# Altium PCB amp.PcbDoc (part 5 of 20)
Units mm, origin at the board's own origin, x right, y up, seen from the top; angles counter-clockwise.
Board outline 210 x 210 mm, 2 copper layers (Top Layer, Bottom Layer); 742 components, 1354 nets, 6402 pads, 5154 vias.
Unrouted connection lines stored in the file: 702.
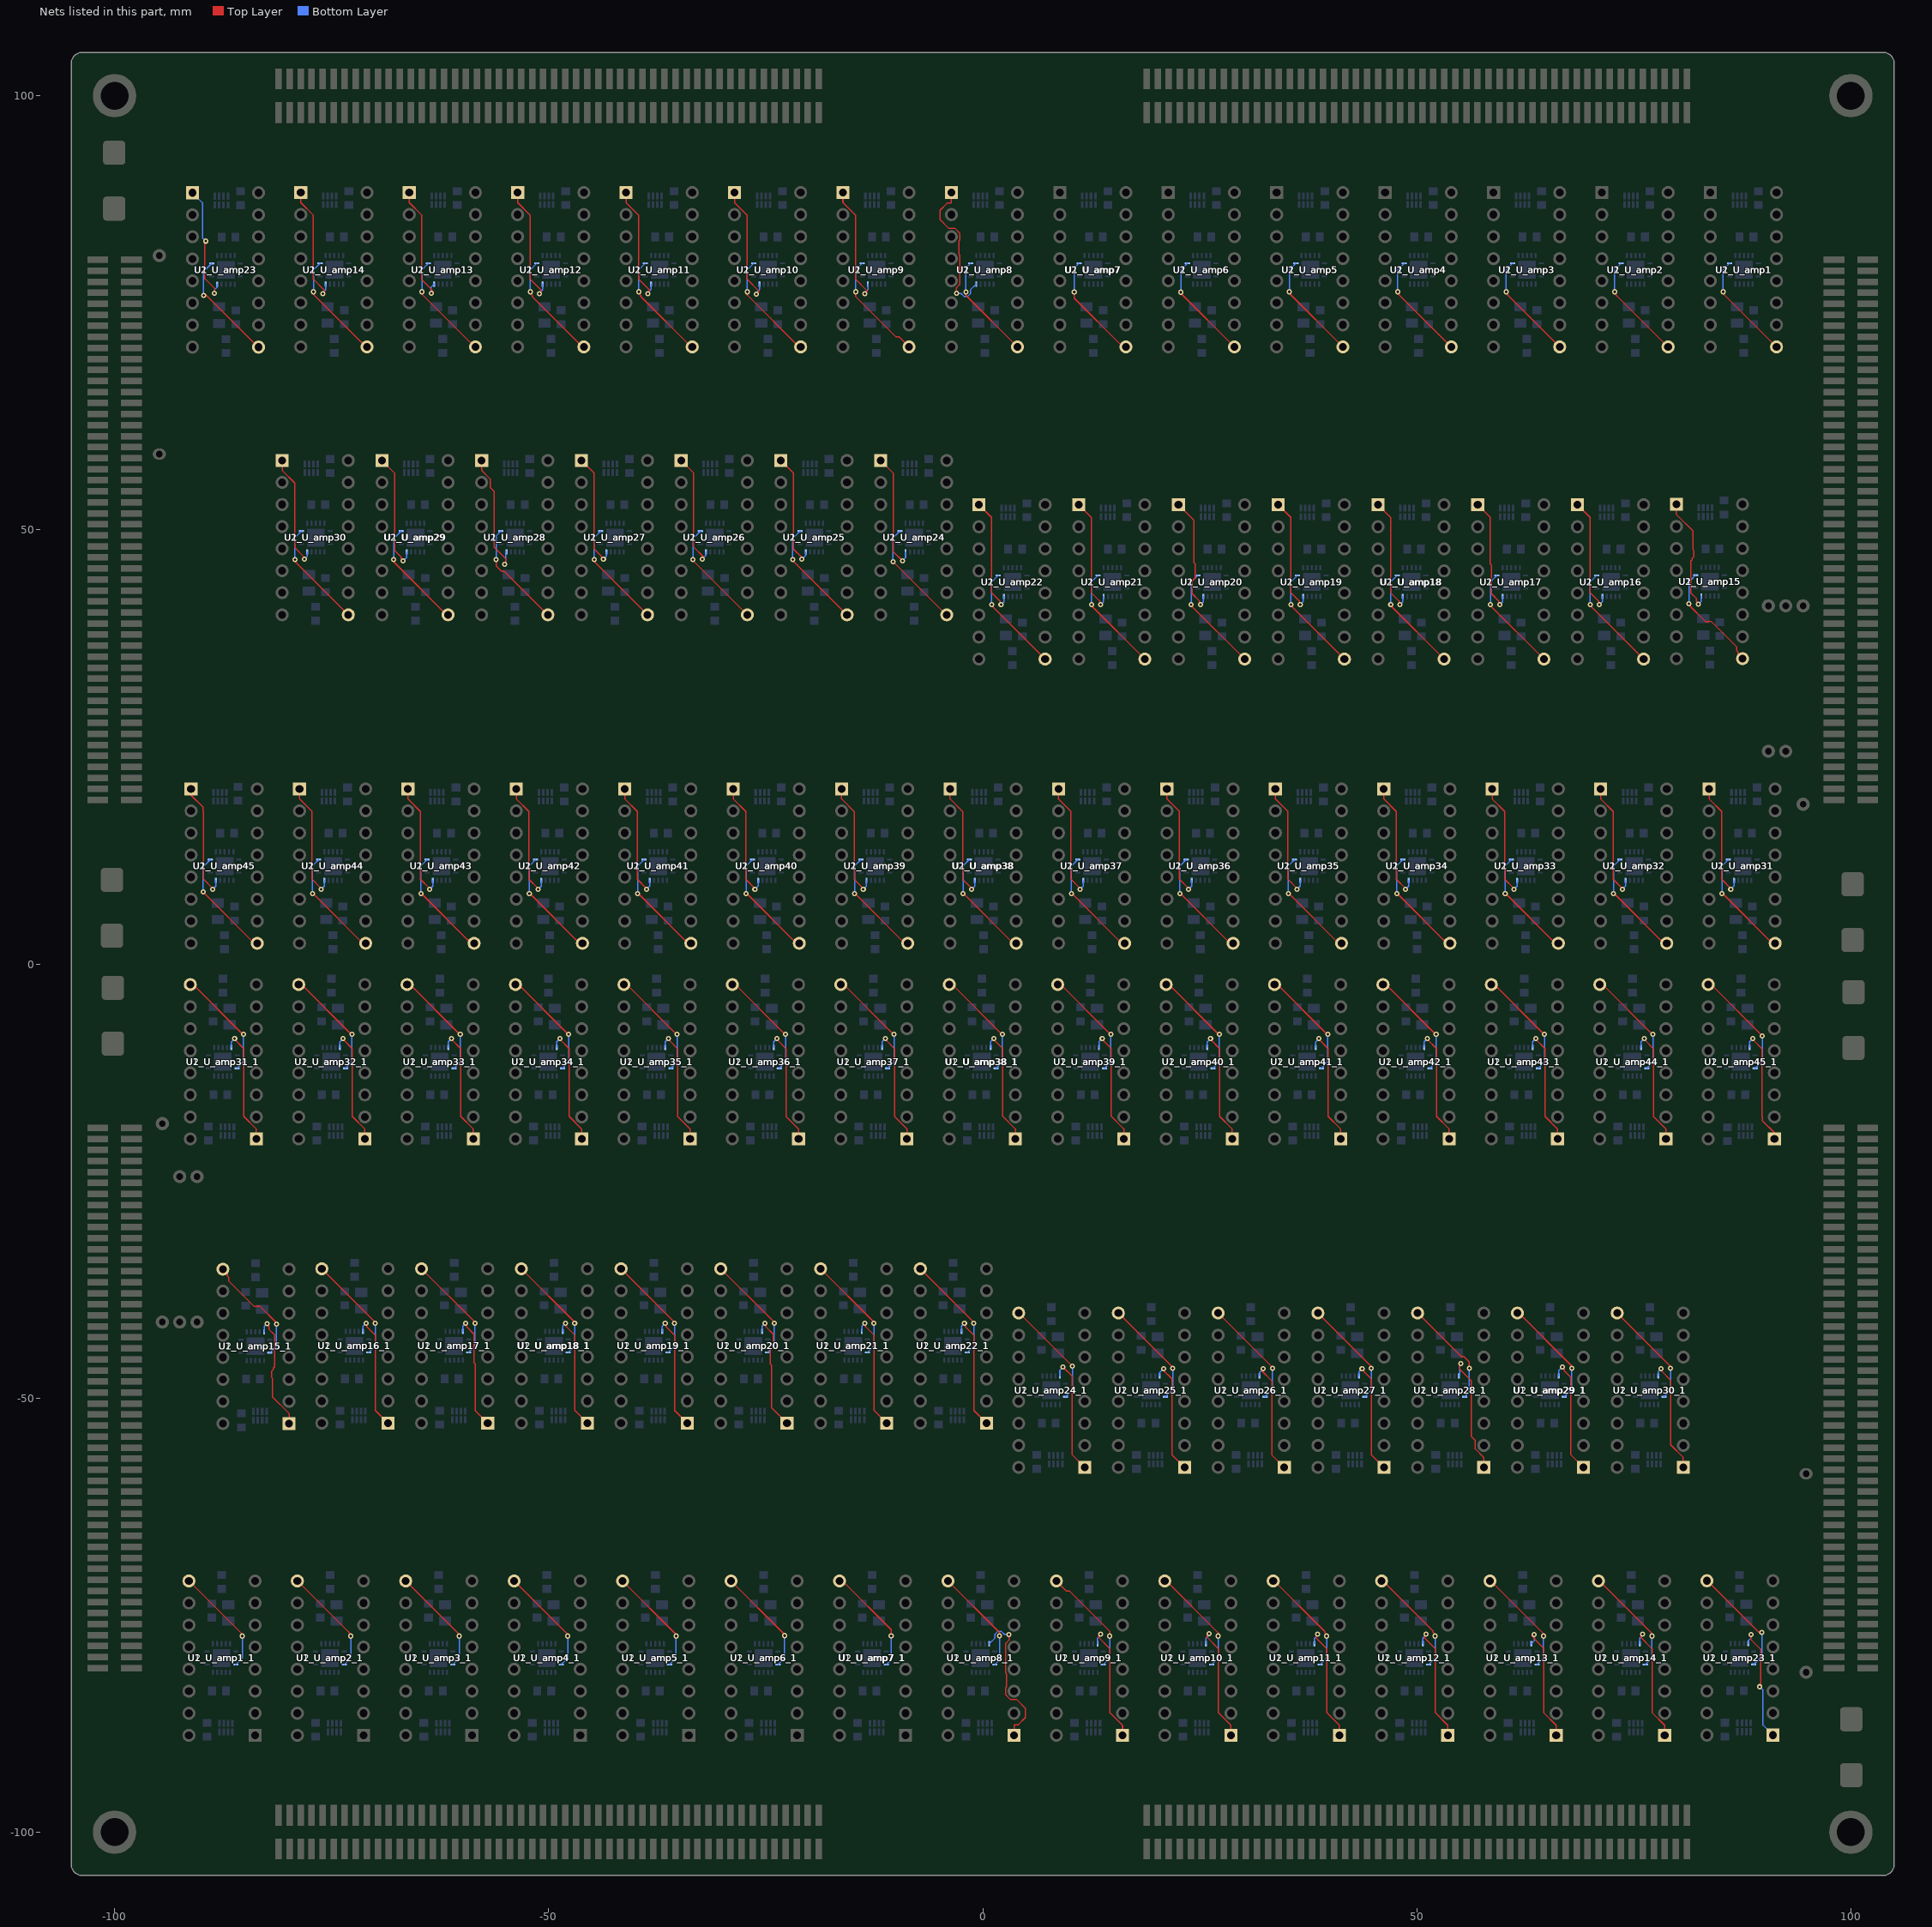
[diagram p5: the nets of this part, all layers, seen from the top]

## Via types
v1: diameter 0.6, hole 0.3, Top Layer to Bottom Layer, tented both sides, 4704 vias
v2: diameter 0.5, hole 0.3, Top Layer to Bottom Layer, 450 vias

## Nets (pads, with @x,y where several pads share a name; then routed paths per layer and width w, separated by ;. In a path a pad name is that pad's centre, name@x,y a point inside that pad or via, vN(x,y) a via of type N, cw(c..) or ccw(c..) an arc to the next point about the centre after c; other vN are vias at no path point) (continued)
EN1I_U_amp8: U1_U_amp8.6 U1_U_amp8_1.6 U2_U_amp8.1 U2_U_amp8_1.1 | length 35.1
  Top Layer w0.15: U2_U_amp8.1@-3.611,88.85 -3.611,87.625 -4.099,87.625 -4.923,86.802 -4.923,85.728 -3.94,84.745 -3.207,84.745 -2.636,84.174 -2.636,83.367 -2.765,83.238 -2.765,81.763 -2.636,81.634 -2.636,78.287 -3.023,77.9 -3.023,77.114 -2.994,77.143 v1(-2.994,77.231) ; v1(2.994,-77.231) 2.994,-77.143 3.023,-77.114 3.023,-77.9 2.636,-78.287 2.636,-81.634 2.765,-81.763 2.765,-83.238 2.636,-83.367 2.636,-84.174 3.207,-84.745 3.94,-84.745 4.923,-85.728 4.923,-86.802 4.099,-87.625 3.611,-87.625 U2_U_amp8_1.1@3.611,-88.85
  Bottom Layer w0.15: v1(-2.994,77.231) -2.503,77.231 -2.162,76.889 -1.727,76.889 -1.419,77.197 -1.419,77.63 U1_U_amp8.6@-0.744,78.305 ; U1_U_amp8_1.6@0.744,-78.305 1.419,-77.63 1.419,-77.197 1.727,-76.889 2.162,-76.889 2.503,-77.231 v1(2.994,-77.231)
EN1I_U_amp9: U1_U_amp9.6 U1_U_amp9_1.6 U2_U_amp9.1 U2_U_amp9_1.1 | length 28.2
  Top Layer w0.15: U2_U_amp9.1@-16.101,88.85 -16.101,87.689 -14.655,86.243 -14.655,78.866 -13.335,77.546 -13.335,77.444 v1(-13.564,77.216) ; v1(13.564,-77.216) 13.335,-77.444 13.335,-77.546 14.655,-78.866 14.655,-86.243 16.101,-87.689 U2_U_amp9_1.1@16.101,-88.85
  Bottom Layer w0.15: v1(-13.564,77.216) -13.564,77.326 -13.234,77.655 U1_U_amp9.6@-13.234,78.305 ; U1_U_amp9_1.6@13.234,-78.305 13.234,-77.655 13.564,-77.326 v1(13.564,-77.216)
EN1I_U_amp10: U1_U_amp10.6 U1_U_amp10_1.6 U2_U_amp10.1 U2_U_amp10_1.1 | length 28.5
  Top Layer w0.15: U2_U_amp10.1@-28.591,88.85 -28.591,87.689 -27.145,86.243 -27.145,78.866 -25.824,77.545 -25.824,77.376 v1(-26.06,77.14) ; v1(26.06,-77.14) 25.824,-77.376 25.824,-77.545 27.145,-78.866 27.145,-86.243 28.591,-87.689 U2_U_amp10_1.1@28.591,-88.85
  Bottom Layer w0.15: v1(-26.06,77.14) -26.06,77.319 -25.724,77.655 U1_U_amp10.6@-25.724,78.305 ; U1_U_amp10_1.6@25.724,-78.305 25.724,-77.655 26.06,-77.319 v1(26.06,-77.14)
EN1I_U_amp11: U1_U_amp11.6 U1_U_amp11_1.6 U2_U_amp11.1 U2_U_amp11_1.1 | length 28.1
  Top Layer w0.15: U2_U_amp11.1@-41.082,88.85 -41.082,87.689 -39.635,86.243 -39.635,78.866 -38.398,77.629 -38.398,77.375 v1(-38.557,77.216) ; v1(38.557,-77.216) 38.398,-77.375 38.398,-77.629 39.635,-78.866 39.635,-86.243 41.082,-87.689 U2_U_amp11_1.1@41.082,-88.85
  Bottom Layer w0.15: v1(-38.557,77.216) -38.557,77.313 -38.215,77.655 U1_U_amp11.6@-38.215,78.305 ; U1_U_amp11_1.6@38.215,-78.305 38.215,-77.655 38.557,-77.313 v1(38.557,-77.216)
EN1I_U_amp12: U1_U_amp12.6 U1_U_amp12_1.6 U2_U_amp12.1 U2_U_amp12_1.1 | length 28.2
  Top Layer w0.15: U2_U_amp12.1@-53.572,88.85 -53.572,87.689 -52.125,86.243 -52.125,82.458 -52.125,78.866 -50.879,77.619 -50.879,77.365 v1(-51.054,77.191) ; v1(51.054,-77.191) 50.879,-77.365 50.879,-77.619 52.125,-78.866 52.125,-82.458 52.125,-86.243 53.572,-87.689 U2_U_amp12_1.1@53.572,-88.85
  Bottom Layer w0.15: v1(-51.054,77.191) -51.054,77.306 -50.705,77.655 U1_U_amp12.6@-50.705,78.305 ; U1_U_amp12_1.6@50.705,-78.305 50.705,-77.655 51.054,-77.306 v1(51.054,-77.191)
EN1I_U_amp13: U1_U_amp13.6 U1_U_amp13_1.6 U2_U_amp13.1 U2_U_amp13_1.1 | length 28.2
  Top Layer w0.15: U2_U_amp13.1@-66.062,88.85 -66.062,87.689 -64.616,86.243 -64.616,78.801 -63.57,77.756 -63.57,77.689 -63.299,77.417 -63.475,77.241 v1(-63.525,77.241) ; v1(63.525,-77.241) 63.475,-77.241 63.299,-77.417 63.57,-77.689 63.57,-77.756 64.616,-78.801 64.616,-86.243 66.062,-87.689 U2_U_amp13_1.1@66.062,-88.85
  Bottom Layer w0.15: v1(-63.525,77.241) -63.525,77.975 U1_U_amp13.6@-63.195,78.305 ; U1_U_amp13_1.6@63.195,-78.305 63.525,-77.975 v1(63.525,-77.241)
EN1I_U_amp14: U1_U_amp14.6 U1_U_amp14_1.6 U2_U_amp14.1 U2_U_amp14_1.1 | length 28.2
  Top Layer w0.15: U2_U_amp14.1@-78.552,88.85 -78.552,87.689 -77.106,86.243 -77.106,78.866 -75.785,77.545 -75.785,77.448 -76.017,77.216 v1(-76.022,77.216) ; v1(76.022,-77.216) 76.017,-77.216 75.785,-77.448 75.785,-77.545 77.106,-78.866 77.106,-86.243 78.552,-87.689 U2_U_amp14_1.1@78.552,-88.85
  Bottom Layer w0.15: v1(-76.022,77.216) -76.022,77.318 -75.685,77.655 U1_U_amp14.6@-75.685,78.305 ; U1_U_amp14_1.6@75.685,-78.305 75.685,-77.655 76.022,-77.318 v1(76.022,-77.216)
EN1I_U_amp15: U1_U_amp15.6 U1_U_amp15_1.6 U2_U_amp15.1 U2_U_amp15_1.1 | length 28.2
  Top Layer w0.15: v1@-82.567,-41.426 v1(-82.432,-41.426) -82.432,-41.561 -82.229,-41.765 -82.229,-42.075 -81.577,-42.727 -81.577,-46.394 -81.727,-46.544 -81.727,-46.735 -81.927,-46.935 -81.927,-47.618 -81.827,-47.718 -81.827,-49.853 -79.908,-51.772 U2_U_amp15_1.1@-79.908,-52.934 ; U2_U_amp15.1@79.908,52.934 79.908,51.772 81.827,49.853 81.827,47.718 81.927,47.618 81.927,46.935 81.727,46.735 81.727,46.544 81.577,46.394 81.577,42.727 82.229,42.075 82.229,41.765 82.432,41.561 v1(82.432,41.426) v1@82.567,41.426
  Bottom Layer w0.15: U1_U_amp15_1.6@-82.775,-42.389 -82.775,-41.77 v1(-82.432,-41.426) ; v1(82.432,41.426) 82.775,41.77 U1_U_amp15.6@82.775,42.389
EN1I_U_amp16: U1_U_amp16.6 U1_U_amp16_1.6 U2_U_amp16.1 U2_U_amp16_1.1 | length 27.4
  Top Layer w0.15: v1(-71.044,-41.377) -71.069,-41.377 -70.942,-41.504 -70.942,-41.789 -69.957,-42.774 -69.957,-51.444 U2_U_amp16_1.1@-68.51,-52.89 ; U2_U_amp16.1@68.51,52.89 69.957,51.444 69.957,42.774 70.942,41.789 70.942,41.504 71.069,41.377 v1(71.044,41.377)
  Bottom Layer w0.15: U1_U_amp16_1.6@-71.377,-42.345 -71.377,-41.71 v1(-71.044,-41.377) ; v1(71.044,41.377) 71.377,41.71 U1_U_amp16.6@71.377,42.345
EN1I_U_amp17: U1_U_amp17.6 U1_U_amp17_1.6 U2_U_amp17.1 U2_U_amp17_1.1 | length 27.4
  Top Layer w0.15: v1(-59.554,-41.377) -59.579,-41.377 -59.451,-41.504 -59.451,-41.789 -58.595,-42.646 -58.595,-45.934 -58.466,-46.063 -58.466,-51.444 U2_U_amp17_1.1@-57.02,-52.89 ; U2_U_amp17.1@57.02,52.89 58.466,51.444 58.466,46.063 58.595,45.934 58.595,42.646 59.451,41.789 59.451,41.504 59.579,41.377 v1(59.554,41.377)
  Bottom Layer w0.15: U1_U_amp17_1.6@-59.887,-42.345 -59.887,-41.71 v1(-59.554,-41.377) ; v1(59.554,41.377) 59.887,41.71 U1_U_amp17.6@59.887,42.345
EN1I_U_amp18: U1_U_amp18.6 U1_U_amp18_1.6 U2_U_amp18.1 U2_U_amp18_1.1 | length 27.4
  Top Layer w0.15: v1(-48.063,-41.377) -48.089,-41.377 -47.961,-41.504 -47.961,-41.789 -46.976,-42.774 -46.976,-51.444 U2_U_amp18_1.1@-45.53,-52.89 ; U2_U_amp18.1@45.53,52.89 46.976,51.444 46.976,42.774 47.961,41.789 47.961,41.504 48.089,41.377 v1(48.063,41.377)
  Bottom Layer w0.15: U1_U_amp18_1.6@-48.397,-42.345 -48.397,-41.71 v1(-48.063,-41.377) ; v1(48.063,41.377) 48.397,41.71 U1_U_amp18.6@48.397,42.345
EN1I_U_amp19: U1_U_amp19.6 U1_U_amp19_1.6 U2_U_amp19.1 U2_U_amp19_1.1 | length 27.4
  Top Layer w0.15: v1(-36.573,-41.377) -36.599,-41.377 -36.471,-41.504 -36.471,-41.789 -35.486,-42.774 -35.486,-51.444 U2_U_amp19_1.1@-34.04,-52.89 ; U2_U_amp19.1@34.04,52.89 35.486,51.444 35.486,42.774 36.471,41.789 36.471,41.504 36.599,41.377 v1(36.573,41.377)
  Bottom Layer w0.15: U1_U_amp19_1.6@-36.907,-42.345 -36.907,-41.71 v1(-36.573,-41.377) ; v1(36.573,41.377) 36.907,41.71 U1_U_amp19.6@36.907,42.345
EN1I_U_amp20: U1_U_amp20.6 U1_U_amp20_1.6 U2_U_amp20.1 U2_U_amp20_1.1 | length 28
  Top Layer w0.15: v1(-25.083,-41.377) -25.108,-41.377 -24.981,-41.504 -24.981,-41.789 -24.124,-42.646 -24.124,-44.123 -24.474,-44.473 -24.474,-46.068 -24.345,-46.197 -24.345,-51.094 U2_U_amp20_1.1@-22.549,-52.89 ; U2_U_amp20.1@22.549,52.89 24.345,51.094 24.345,46.197 24.474,46.068 24.474,44.473 24.124,44.123 24.124,42.646 24.981,41.789 24.981,41.504 25.108,41.377 v1(25.083,41.377)
  Bottom Layer w0.15: U1_U_amp20_1.6@-25.416,-42.345 -25.416,-41.71 v1(-25.083,-41.377) ; v1(25.083,41.377) 25.416,41.71 U1_U_amp20.6@25.416,42.345
EN1I_U_amp21: U1_U_amp21.6 U1_U_amp21_1.6 U2_U_amp21.1 U2_U_amp21_1.1 | length 27.4
  Top Layer w0.15: v1(-13.593,-41.377) -13.618,-41.377 -13.491,-41.504 -13.491,-41.789 -12.506,-42.774 -12.506,-51.444 U2_U_amp21_1.1@-11.059,-52.89 ; U2_U_amp21.1@11.059,52.89 12.506,51.444 12.506,42.774 13.491,41.789 13.491,41.504 13.618,41.377 v1(13.593,41.377)
  Bottom Layer w0.15: U1_U_amp21_1.6@-13.926,-42.345 -13.926,-41.71 v1(-13.593,-41.377) ; v1(13.593,41.377) 13.926,41.71 U1_U_amp21.6@13.926,42.345
EN1I_U_amp22: U1_U_amp22.6 U1_U_amp22_1.6 U2_U_amp22.1 U2_U_amp22_1.1 | length 27.4
  Top Layer w0.15: v1(-2.103,-41.377) -2.128,-41.377 -2,-41.504 -2,-41.789 -1.015,-42.774 -1.015,-51.444 U2_U_amp22_1.1@0.431,-52.89 ; U2_U_amp22.1@-0.431,52.89 1.015,51.444 1.015,42.774 2,41.789 2,41.504 2.128,41.377 v1(2.103,41.377)
  Bottom Layer w0.15: U1_U_amp22_1.6@-2.436,-42.345 -2.436,-41.71 v1(-2.103,-41.377) ; v1(2.103,41.377) 2.436,41.71 U1_U_amp22.6@2.436,42.345
EN1I_U_amp23: U1_U_amp23.6 U1_U_amp23_1.6 U2_U_amp23.1 U2_U_amp23_1.1 | length 27.8
  Top Layer w0.15: v1(-89.5,83.25) -89.595,83.155 -89.595,78.922 -88.5,77.827 v1(-88.5,77.25) ; v1(88.5,-77.25) 88.5,-77.827 89.595,-78.922 89.595,-83.155 v1(89.5,-83.25)
  Bottom Layer w0.15: U2_U_amp23.1@-91.041,88.83 -89.887,87.676 -89.887,83.637 v1(-89.5,83.25) ; v1(-88.5,77.25) -88.5,77.628 -88.174,77.953 U1_U_amp23.6@-88.174,78.285 U1_U_amp23.6@-88.197,78.308 ; U1_U_amp23_1.6@88.197,-78.308 U1_U_amp23_1.6@88.174,-78.285 88.174,-77.953 88.5,-77.628 v1(88.5,-77.25) ; v1(89.5,-83.25) 89.887,-83.637 89.887,-87.676 U2_U_amp23_1.1@91.041,-88.83
EN1I_U_amp24: U1_U_amp24.6 U1_U_amp24_1.6 U2_U_amp24.1 U2_U_amp24_1.1 | length 27.6
  Top Layer w0.15: U2_U_amp24.1@-11.757,57.996 -10.311,56.55 -10.311,47.496 v1(-9.22,46.406) ; v1(9.22,-46.406) 10.311,-47.496 10.311,-56.55 U2_U_amp24_1.1@11.757,-57.996
  Bottom Layer w0.15: v1(-9.22,46.406) -9.22,46.471 -8.89,46.801 U1_U_amp24.6@-8.89,47.451 ; U1_U_amp24_1.6@8.89,-47.451 8.89,-46.801 9.22,-46.471 v1(9.22,-46.406)
EN1I_U_amp25: U1_U_amp25.6 U1_U_amp25_1.6 U2_U_amp25.1 U2_U_amp25_1.1 | length 26.8
  Top Layer w0.15: U2_U_amp25.1@-23.247,57.996 -21.801,56.55 -21.801,47.785 -20.828,46.812 v1(-20.828,46.609) ; v1(20.828,-46.609) 20.828,-46.812 21.801,-47.785 21.801,-56.55 U2_U_amp25_1.1@23.247,-57.996
  Bottom Layer w0.15: v1(-20.828,46.609) -20.38,47.057 U1_U_amp25.6@-20.38,47.451 ; U1_U_amp25_1.6@20.38,-47.451 20.38,-47.057 v1(20.828,-46.609)
EN1I_U_amp26: U1_U_amp26.6 U1_U_amp26_1.6 U2_U_amp26.1 U2_U_amp26_1.1 | length 27
  Top Layer w0.15: U2_U_amp26.1@-34.737,57.996 -33.291,56.55 -33.291,48.012 -32.124,46.845 -32.309,46.66 v1(-32.309,46.634) ; v1(32.309,-46.634) 32.309,-46.66 32.124,-46.845 33.291,-48.012 33.291,-56.55 U2_U_amp26_1.1@34.737,-57.996
  Bottom Layer w0.15: v1(-32.309,46.634) -31.87,47.073 U1_U_amp26.6@-31.87,47.451 ; U1_U_amp26_1.6@31.87,-47.451 31.87,-47.073 v1(32.309,-46.634)
EN1I_U_amp27: U1_U_amp27.6 U1_U_amp27_1.6 U2_U_amp27.1 U2_U_amp27_1.1 | length 26.9
  Top Layer w0.15: U2_U_amp27.1@-46.228,57.996 -44.781,56.55 -44.781,47.819 -43.913,46.951 -43.913,46.789 -43.733,46.609 v1(-43.688,46.609) ; v1(43.688,-46.609) 43.733,-46.609 43.913,-46.789 43.913,-46.951 44.781,-47.819 44.781,-56.55 U2_U_amp27_1.1@46.228,-57.996
  Bottom Layer w0.15: v1(-43.688,46.609) -43.361,46.936 U1_U_amp27.6@-43.361,47.451 ; U1_U_amp27_1.6@43.361,-47.451 43.361,-46.936 v1(43.688,-46.609)
EN1I_U_amp28: U1_U_amp28.6 U1_U_amp28_1.6 U2_U_amp28.1 U2_U_amp28_1.1 | length 29.2
  Top Layer w0.15: U2_U_amp28.1@-57.718,57.996 -57.718,56.835 -56.743,55.86 -56.743,54.905 -56.271,54.434 -56.271,48.012 -54.968,46.708 -54.968,46.149 v1(-55.067,46.05) ; v1(55.067,-46.05) 54.968,-46.149 54.968,-46.708 56.271,-48.012 56.271,-54.434 56.743,-54.905 56.743,-55.86 57.718,-56.835 U2_U_amp28_1.1@57.718,-57.996
  Bottom Layer w0.15: v1(-55.067,46.05) -54.951,46.167 -54.951,47.351 U1_U_amp28.6@-54.851,47.451 ; U1_U_amp28_1.6@54.851,-47.451 54.951,-47.351 54.951,-46.167 v1(55.067,-46.05)
EN1I_U_amp29: U1_U_amp29.6 U1_U_amp29_1.6 U2_U_amp29.1 U2_U_amp29_1.1 | length 27.7
  Top Layer w0.15: U2_U_amp29.1@-69.208,57.996 -67.762,56.55 -67.762,47.643 -67.002,46.883 -67.002,46.707 v1@-66.878,46.584 ; v1@66.878,-46.584 67.002,-46.707 67.002,-46.883 67.762,-47.643 67.762,-56.55 U2_U_amp29_1.1@69.208,-57.996
  Bottom Layer w0.15: v1(-66.777,46.406) -66.777,46.66 -66.65,46.533 -66.341,46.841 U1_U_amp29.6@-66.341,47.451 ; U1_U_amp29_1.6@66.341,-47.451 66.341,-46.841 66.65,-46.533 66.777,-46.66 v1(66.777,-46.406)
EN1I_U_amp30: U1_U_amp30.6 U1_U_amp30_1.6 U2_U_amp30.1 U2_U_amp30_1.1 | length 27
  Top Layer w0.15: U2_U_amp30.1@-80.698,57.996 -80.698,56.835 -79.252,55.389 -79.252,47.947 -78.181,46.876 -78.181,46.568 -78.156,46.593 v1(-78.156,46.607) ; v1(78.156,-46.607) 78.156,-46.593 78.181,-46.568 78.181,-46.876 79.252,-47.947 79.252,-55.389 80.698,-56.835 U2_U_amp30_1.1@80.698,-57.996
  Bottom Layer w0.15: v1(-78.156,46.607) -77.831,46.932 U1_U_amp30.6@-77.831,47.451 ; U1_U_amp30_1.6@77.831,-47.451 77.831,-46.932 v1(78.156,-46.607)
EN1I_U_amp31: U1_U_amp31.6 U1_U_amp31_1.6 U2_U_amp31.1 U2_U_amp31_1.1 | length 27.5
  Top Layer w0.15: v1(-86.163,-8.6) -86.163,-8.706 -85.114,-9.754 -85.114,-17.556 -83.668,-19.002 U2_U_amp31_1.1@-83.668,-20.163 ; U2_U_amp31.1@83.668,20.163 83.668,19.002 85.114,17.556 85.114,9.754 86.163,8.706 v1(86.163,8.6)
  Bottom Layer w0.15: U1_U_amp31_1.6@-86.535,-9.618 -86.535,-8.972 v1(-86.163,-8.6) ; v1(86.163,8.6) 86.535,8.972 U1_U_amp31.6@86.535,9.618
EN1I_U_amp32: U1_U_amp32.6 U1_U_amp32_1.6 U2_U_amp32.1 U2_U_amp32_1.1 | length 27.5
  Top Layer w0.15: v1(-73.673,-8.6) -73.673,-8.706 -72.624,-9.754 -72.624,-17.556 -71.178,-19.002 U2_U_amp32_1.1@-71.178,-20.163 ; U2_U_amp32.1@71.178,20.163 71.178,19.002 72.624,17.556 72.624,9.754 73.673,8.706 v1(73.673,8.6)
  Bottom Layer w0.15: U1_U_amp32_1.6@-74.045,-9.618 -74.045,-8.972 v1(-73.673,-8.6) ; v1(73.673,8.6) 74.045,8.972 U1_U_amp32.6@74.045,9.618
EN1I_U_amp33: U1_U_amp33.6 U1_U_amp33_1.6 U2_U_amp33.1 U2_U_amp33_1.1 | length 27.5
  Top Layer w0.15: v1(-61.183,-8.6) -61.183,-8.706 -60.134,-9.754 -60.134,-17.556 -58.688,-19.002 U2_U_amp33_1.1@-58.688,-20.163 ; U2_U_amp33.1@58.688,20.163 58.688,19.002 60.134,17.556 60.134,9.754 61.183,8.706 v1(61.183,8.6)
  Bottom Layer w0.15: U1_U_amp33_1.6@-61.555,-9.618 -61.555,-8.972 v1(-61.183,-8.6) ; v1(61.183,8.6) 61.555,8.972 U1_U_amp33.6@61.555,9.618
EN1I_U_amp34: U1_U_amp34.6 U1_U_amp34_1.6 U2_U_amp34.1 U2_U_amp34_1.1 | length 27.5
  Top Layer w0.15: v1(-48.692,-8.6) -48.692,-8.706 -47.644,-9.754 -47.644,-17.556 -46.197,-19.002 U2_U_amp34_1.1@-46.197,-20.163 ; U2_U_amp34.1@46.197,20.163 46.197,19.002 47.644,17.556 47.644,9.754 48.692,8.706 v1(48.692,8.6)
  Bottom Layer w0.15: U1_U_amp34_1.6@-49.064,-9.618 -49.064,-8.972 v1(-48.692,-8.6) ; v1(48.692,8.6) 49.064,8.972 U1_U_amp34.6@49.064,9.618
EN1I_U_amp35: U1_U_amp35.6 U1_U_amp35_1.6 U2_U_amp35.1 U2_U_amp35_1.1 | length 27.5
  Top Layer w0.15: v1(-36.202,-8.6) -36.202,-8.706 -35.154,-9.754 -35.154,-17.556 -33.707,-19.002 U2_U_amp35_1.1@-33.707,-20.163 ; U2_U_amp35.1@33.707,20.163 33.707,19.002 35.154,17.556 35.154,9.754 36.202,8.706 v1(36.202,8.6)
  Bottom Layer w0.15: U1_U_amp35_1.6@-36.574,-9.618 -36.574,-8.972 v1(-36.202,-8.6) ; v1(36.202,8.6) 36.574,8.972 U1_U_amp35.6@36.574,9.618
EN1I_U_amp36: U1_U_amp36.6 U1_U_amp36_1.6 U2_U_amp36.1 U2_U_amp36_1.1 | length 27.5
  Top Layer w0.15: v1(-23.712,-8.6) -23.712,-8.706 -22.663,-9.754 -22.663,-17.556 -21.217,-19.002 U2_U_amp36_1.1@-21.217,-20.163 ; U2_U_amp36.1@21.217,20.163 21.217,19.002 22.663,17.556 22.663,9.754 23.712,8.706 v1(23.712,8.6)
  Bottom Layer w0.15: U1_U_amp36_1.6@-24.084,-9.618 -24.084,-8.972 v1(-23.712,-8.6) ; v1(23.712,8.6) 24.084,8.972 U1_U_amp36.6@24.084,9.618
EN1I_U_amp37: U1_U_amp37.6 U1_U_amp37_1.6 U2_U_amp37.1 U2_U_amp37_1.1 | length 27.5
  Top Layer w0.15: v1(-11.222,-8.6) -11.222,-8.706 -10.173,-9.754 -10.173,-17.556 -8.727,-19.002 U2_U_amp37_1.1@-8.727,-20.163 ; U2_U_amp37.1@8.727,20.163 8.727,19.002 10.173,17.556 10.173,9.754 11.222,8.706 v1(11.222,8.6)
  Bottom Layer w0.15: U1_U_amp37_1.6@-11.594,-9.618 -11.594,-8.972 v1(-11.222,-8.6) ; v1(11.222,8.6) 11.594,8.972 U1_U_amp37.6@11.594,9.618
EN1I_U_amp38: U1_U_amp38.6 U1_U_amp38_1.6 U2_U_amp38.1 U2_U_amp38_1.1 | length 27.5
  Top Layer w0.15: U2_U_amp38.1@-3.763,20.163 -3.763,19.002 -2.317,17.556 -2.317,9.754 -1.268,8.706 v1(-1.268,8.6) ; v1(1.268,-8.6) 1.268,-8.706 2.317,-9.754 2.317,-17.556 3.763,-19.002 U2_U_amp38_1.1@3.763,-20.163
  Bottom Layer w0.15: v1(-1.268,8.6) -0.896,8.972 U1_U_amp38.6@-0.896,9.618 ; U1_U_amp38_1.6@0.896,-9.618 0.896,-8.972 v1(1.268,-8.6)